# KiCad board AMC_FMC_Carrier-PcbDoc.kicad_pcb (continued)
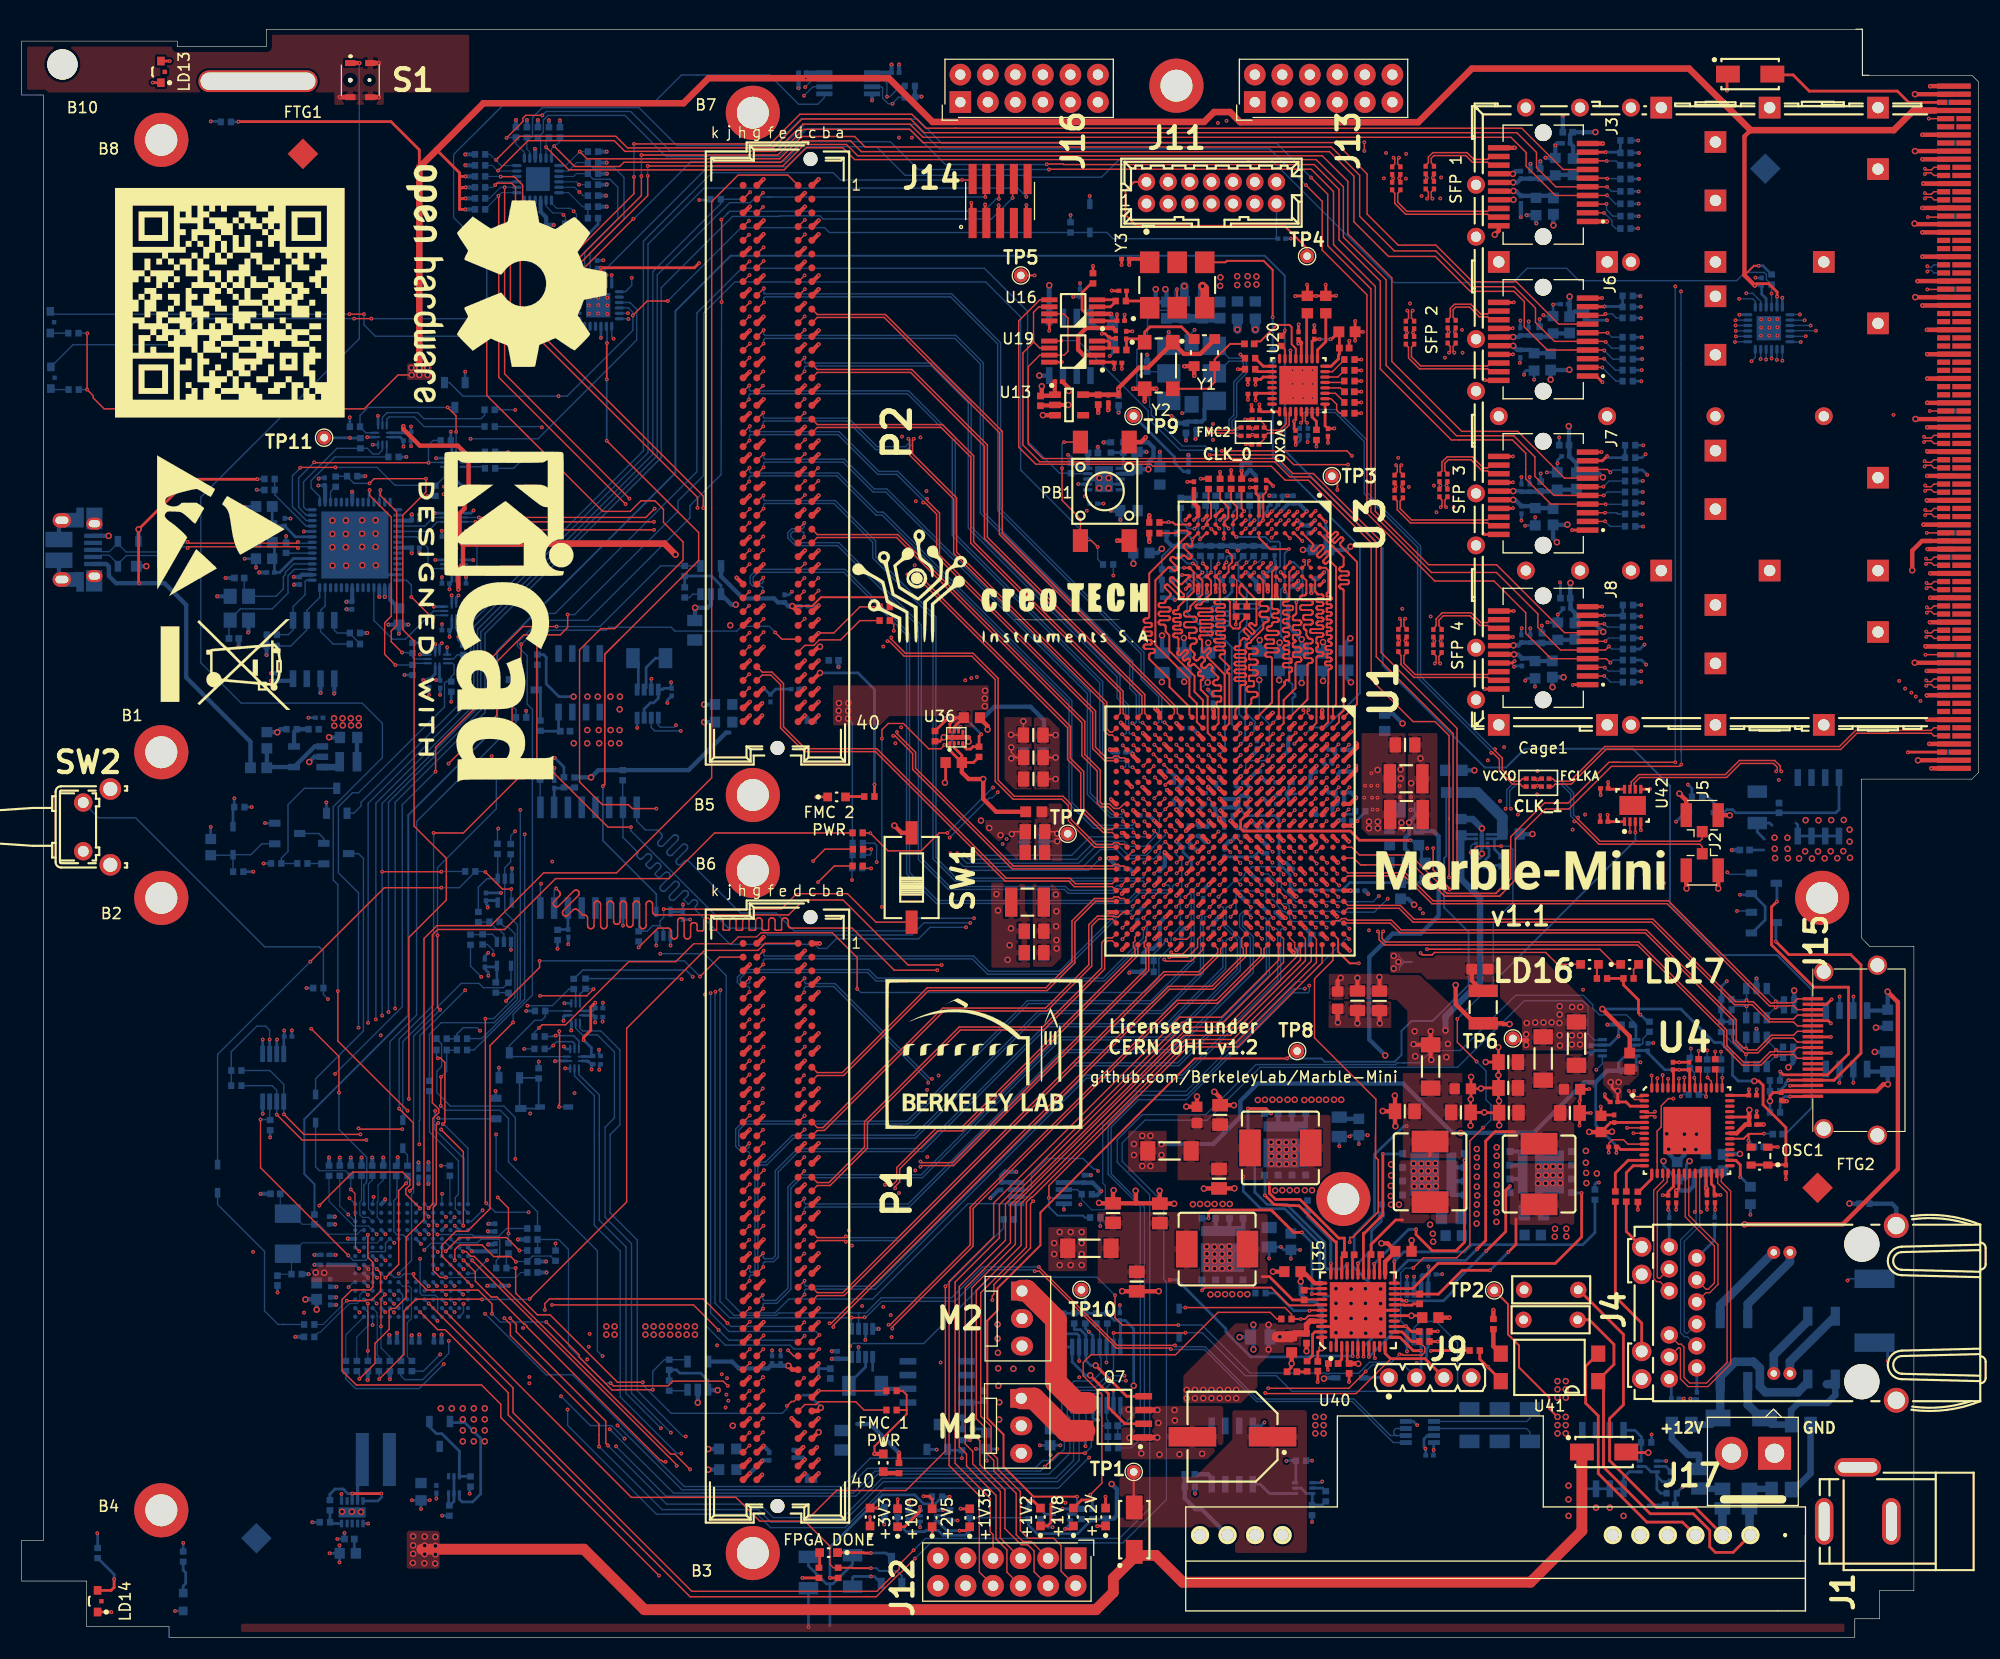
[diagram p0: board, top side]
## Routing (per net, layer and track width the routed paths; a pad name or vN(x,y) marks a point on that pad's centre or on a via; arc(x,y) is an arc through that point) (continued)
  Bottom w0.178: v1(109.78,98.34) 109.78,99.78 109.85,99.86
/SDRAM/DDR3_A5: length 28.9
  Top w0.178: v1(109.03,102.45) 109.07,102.45 U3.P2 109.39,102.99 109.78,103.38 109.78,104.67 109.55,104.9 R6.2 ; U1.M3 111.03,82.96 v1(110.54,83.45)
  In2.Cu w0.118: v1(109.03,102.45) 109.03,102.2 110.11,101.12 110.11,98.18 109.88,97.94 109.88,96.37 111.09,95.15 111.09,94.4 111.09,94.36 111.08,94.32 111.06,94.29 111.03,94.26 111,94.24 110.96,94.23 110.92,94.22 110.73,94.22 110.69,94.22 110.65,94.21 110.62,94.18 110.59,94.16 110.57,94.12 110.56,94.09 110.55,94.05 110.56,94.01 110.57,93.97 110.59,93.94 110.62,93.91 110.65,93.89 110.69,93.88 110.73,93.87 111.31,93.87 111.35,93.87 111.39,93.86 111.42,93.83 111.45,93.81 111.47,93.77 111.48,93.74 111.49,93.7 111.48,93.66 111.47,93.62 111.45,93.59 111.42,93.56 111.39,93.54 111.35,93.53 111.31,93.52 110.73,93.52 110.69,93.52 110.65,93.51 110.62,93.48 110.59,93.46 110.57,93.42 110.56,93.39 110.55,93.35 110.56,93.31 110.57,93.27 110.59,93.24 110.62,93.21 110.65,93.19 110.69,93.18 110.73,93.17 111.31,93.17 111.35,93.17 111.39,93.16 111.42,93.13 111.45,93.11 111.47,93.07 111.48,93.04 111.49,93 111.48,92.96 111.47,92.92 111.45,92.89 111.42,92.86 111.39,92.84 111.35,92.83 111.31,92.82 110.73,92.82 110.69,92.82 110.65,92.81 110.62,92.78 110.59,92.76 110.57,92.72 110.56,92.69 110.55,92.65 110.56,92.61 110.57,92.57 110.59,92.54 110.62,92.51 110.65,92.49 110.69,92.48 110.73,92.47 110.92,92.47 110.96,92.47 111,92.46 111.03,92.43 111.06,92.41 111.08,92.37 111.09,92.34 111.09,92.3 111.09,92.01 110.74,91.66 110.74,85.2 110.54,85 v1(110.54,83.45)
/SDRAM/DDR3_A6: length 28
  Top w0.178: U1.N2 110.47,84.4 110.47,85.8 110.47,85.83 110.46,85.85 110.45,85.87 110.43,85.88 110.41,85.89 110.39,85.9 110.35,85.91 110.33,85.91 110.31,85.92 110.29,85.94 110.28,85.96 110.28,85.98 110.27,86 110.27,86.3 110.28,86.33 110.28,86.35 110.29,86.37 110.31,86.38 110.33,86.39 110.35,86.4 110.37,86.4 110.59,86.4 110.62,86.41 110.65,86.41 110.67,86.43 110.69,86.45 110.7,86.47 110.71,86.5 110.72,86.53 110.72,86.78 110.71,86.81 110.7,86.83 110.69,86.86 110.67,86.88 110.65,86.89 110.62,86.9 110.59,86.9 110.12,86.9 110.07,86.91 110.01,86.93 109.97,86.96 109.93,87 109.9,87.04 109.88,87.1 109.87,87.15 109.88,87.21 109.9,87.26 109.93,87.31 109.97,87.35 110.01,87.38 110.07,87.4 110.12,87.4 110.59,87.4 110.62,87.41 110.65,87.41 110.67,87.43 110.69,87.45 110.7,87.47 110.71,87.5 110.72,87.53 110.72,87.78 110.71,87.81 110.7,87.83 110.69,87.86 110.67,87.88 110.65,87.89 110.62,87.9 110.59,87.9 110.47,87.9 110.47,87.9 110.22,87.9 110.17,87.91 110.11,87.93 110.07,87.96 110.03,88 110,88.04 109.98,88.1 109.97,88.15 109.97,88.16 109.98,88.21 110,88.26 110.03,88.31 110.07,88.35 110.11,88.38 110.17,88.4 110.28,88.41 110.33,88.43 110.38,88.46 110.42,88.5 110.45,88.54 110.46,88.6 110.47,88.65 109.88,89.24 109.86,89.27 109.85,89.3 109.84,89.33 109.84,89.36 109.85,89.39 109.86,89.42 109.9,89.48 109.92,89.51 109.92,89.54 109.92,89.57 109.92,89.6 109.9,89.63 109.88,89.66 109.74,89.8 109.71,89.82 109.68,89.84 109.65,89.85 109.62,89.85 109.58,89.84 109.55,89.82 109.53,89.8 109.28,89.56 109.25,89.53 109.21,89.51 109.17,89.5 109.12,89.5 109.08,89.51 109.04,89.53 109,89.56 108.93,89.63 108.9,89.67 108.88,89.71 108.87,89.75 108.87,89.79 108.88,89.84 108.9,89.88 108.93,89.91 109.17,90.16 109.2,90.18 109.21,90.21 109.22,90.25 109.22,90.28 109.21,90.31 109.2,90.34 109.17,90.37 109.03,90.51 109,90.53 108.98,90.55 108.94,90.55 108.91,90.55 108.88,90.55 108.85,90.53 108.82,90.51 108.72,90.41 108.72,90.41 108.58,90.27 108.54,90.24 108.5,90.22 108.46,90.21 108.41,90.21 108.37,90.22 108.33,90.24 108.29,90.27 108.22,90.34 108.19,90.37 108.17,90.41 108.16,90.46 108.16,90.5 108.17,90.55 108.19,90.59 108.25,90.66 108.27,90.7 108.28,90.74 108.28,90.78 108.27,90.83 108.25,90.87 108.22,90.9 107.87,91.25 107.87,91.51 107.87,91.56 107.89,91.62 107.92,91.66 107.96,91.7 108.01,91.73 108.06,91.75 108.12,91.76 108.21,91.76 108.27,91.76 108.32,91.78 108.37,91.81 108.41,91.85 108.44,91.9 108.46,91.95 108.46,92.01 108.46,92.06 108.44,92.12 108.41,92.16 108.37,92.2 108.32,92.23 108.27,92.25 108.21,92.26 107.82,92.26 107.81,92.26 107.8,92.26 107.79,92.27 107.78,92.28 107.77,92.29 107.77,92.3 107.77,92.31 107.77,92.71 107.77,92.72 107.77,92.73 107.78,92.74 107.79,92.75 107.8,92.75 107.81,92.76 107.82,92.76 108.21,92.76 108.27,92.76 108.32,92.78 108.37,92.81 108.41,92.85 108.44,92.9 108.46,92.95 108.46,93.01 108.46,93.06 108.44,93.12 108.41,93.16 108.37,93.2 108.32,93.23 108.27,93.25 108.21,93.26 107.52,93.26 107.47,93.26 107.41,93.28 107.37,93.31 107.33,93.35 107.3,93.4 107.28,93.45 107.27,93.51 107.28,93.56 107.3,93.62 107.33,93.66 107.37,93.7 107.41,93.73 107.47,93.75 107.52,93.76 108.21,93.76 108.27,93.76 108.32,93.78 108.37,93.81 108.41,93.85 108.44,93.9 108.46,93.95 108.46,94.01 108.46,94.06 108.44,94.12 108.41,94.16 108.37,94.2 108.32,94.23 108.27,94.25 108.21,94.26 107.52,94.26 107.47,94.26 107.41,94.28 107.37,94.31 107.33,94.35 107.3,94.4 107.28,94.45 107.27,94.51 107.28,94.56 107.3,94.62 107.33,94.66 107.37,94.7 107.41,94.73 107.47,94.75 107.52,94.76 107.62,94.76 107.67,94.76 107.73,94.78 107.77,94.81 107.81,94.85 107.84,94.9 107.86,94.95 107.87,95.01 107.87,95.2 108.98,96.31 108.98,97.58 U3.R8 108.62,97.97 v1(108.99,98.34)
  Bottom w0.178: v1(108.99,98.34) 108.51,98.82 108.51,99.28 108.25,99.53 108.17,99.53 107.86,99.85 R16.2 ; 107.93,99.86 107.92,99.86
/SDRAM/DDR3_A7: length 28.2
  Top w0.178: v1(110.54,80.45) 111.03,79.96 U1.M6 ; v1(108.24,102.39) 108.59,102.74 U3.R2
  In2.Cu w0.118: v1(108.24,102.39) 109.35,101.28 109.35,98.2 109.06,97.91 109.06,96.37 110.31,95.13 110.31,91.14 110.3,91.08 110.28,91.01 110.24,90.96 110.2,90.91 110.14,90.87 110.07,90.85 110.01,90.84 109.98,90.84 109.91,90.84 109.85,90.81 109.79,90.78 109.74,90.73 109.71,90.67 109.69,90.61 109.68,90.54 109.69,90.48 109.71,90.41 109.74,90.36 109.79,90.31 109.85,90.27 109.91,90.25 109.98,90.24 110.01,90.24 110.07,90.24 110.14,90.21 110.2,90.18 110.24,90.13 110.28,90.07 110.3,90.01 110.31,89.94 110.31,85.57 109.93,85.19 109.93,81.06 v1(110.54,80.45)
  Bottom w0.178: R7.2 106.98,103.08 107.68,102.39 v1(108.24,102.39)
/SDRAM/DDR3_A8: length 27.4
  Top w0.178: U1.P1 109.03,86.54 108.25,87.31 108.25,88.77 105.93,91.1 105.93,92.54 105.59,92.87 105.59,93.32 105.58,93.36 105.57,93.41 105.54,93.45 105.51,93.48 105.47,93.5 105.43,93.52 105.39,93.52 105.14,93.52 105.09,93.53 105.05,93.54 105.01,93.56 104.98,93.6 104.96,93.63 104.94,93.68 104.94,93.72 104.94,93.76 104.96,93.81 104.98,93.85 105.01,93.88 105.05,93.9 105.09,93.92 105.14,93.92 105.79,93.92 105.83,93.93 105.87,93.94 105.91,93.96 105.94,94 105.97,94.03 105.98,94.08 105.99,94.12 105.98,94.17 105.97,94.21 105.94,94.25 105.91,94.28 105.87,94.3 105.83,94.32 105.79,94.32 105.14,94.32 105.09,94.33 105.05,94.34 105.01,94.36 104.98,94.4 104.96,94.43 104.94,94.48 104.94,94.52 104.94,94.56 104.96,94.61 104.98,94.65 105.01,94.68 105.05,94.7 105.09,94.72 105.14,94.72 105.84,94.72 105.88,94.73 105.92,94.74 105.96,94.76 105.99,94.8 106.02,94.83 106.03,94.88 106.04,94.92 106.03,94.96 106.02,95.01 105.99,95.05 105.96,95.08 105.92,95.1 105.88,95.12 105.84,95.12 105.14,95.12 105.09,95.13 105.05,95.14 105.01,95.16 104.98,95.2 104.96,95.23 104.94,95.28 104.94,95.32 104.94,95.36 104.96,95.41 104.98,95.45 105.01,95.48 105.05,95.5 105.09,95.52 105.14,95.52 105.39,95.52 105.43,95.53 105.47,95.54 105.51,95.56 105.54,95.6 105.57,95.63 105.58,95.68 105.59,95.72 105.59,95.77 105.99,96.18 106.02,96.21 106.04,96.25 106.05,96.29 106.05,96.34 106.04,96.38 106.02,96.42 105.99,96.46 105.57,96.88 105.54,96.92 105.52,96.96 105.51,97 105.51,97.05 105.52,97.09 105.54,97.13 105.57,97.16 105.6,97.19 105.64,97.21 105.69,97.22 105.73,97.22 105.78,97.21 105.82,97.19 105.85,97.16 106.95,96.07 106.98,96.04 107.02,96.02 107.07,96.01 107.11,96.01 107.15,96.02 107.19,96.04 107.23,96.07 107.26,96.11 107.28,96.15 107.29,96.19 107.29,96.23 107.28,96.28 107.26,96.32 107.23,96.35 106.03,97.55 106,97.59 105.98,97.63 105.97,97.67 105.97,97.72 105.98,97.76 106,97.8 106.03,97.84 106.06,97.86 106.1,97.88 106.15,97.89 106.19,97.89 106.24,97.88 106.28,97.86 106.31,97.84 106.84,97.31 106.88,97.28 106.92,97.26 106.96,97.25 107,97.25 107.05,97.26 107.09,97.28 107.12,97.31 107.78,97.97 U3.T8 107.65,98.11 v1(107.11,98.11)
  Bottom w0.178: 106.26,97.55 R17.2 106.64,97.63 v1(107.11,98.11)
/SDRAM/DDR3_A9: length 27.1
  Top w0.178: U3.R3 108.05,101.43 108.05,100.8 108.01,100.77 107.96,100.74 107.91,100.73 107.86,100.73 107.82,100.74 107.77,100.77 107.73,100.8 107.62,100.91 107.58,100.94 107.53,100.96 107.48,100.97 107.43,100.97 107.38,100.96 107.34,100.94 107.3,100.91 107.27,100.87 107.25,100.83 107.24,100.78 107.24,100.73 107.25,100.68 107.27,100.63 107.3,100.59 107.91,99.98 107.94,99.94 107.97,99.89 107.98,99.84 107.98,99.79 107.97,99.74 107.94,99.7 107.91,99.66 107.87,99.63 107.83,99.61 107.78,99.6 107.73,99.6 107.68,99.61 107.63,99.63 107.6,99.66 107.41,99.84 107.37,99.87 107.33,99.9 107.28,99.91 107.23,99.91 107.18,99.9 107.13,99.87 107.09,99.84 106.96,99.71 106.73,99.71 106.69,99.68 106.65,99.65 106.6,99.64 106.55,99.64 106.5,99.65 106.45,99.68 106.41,99.71 106.41,99.71 106.37,99.75 106.32,99.77 106.27,99.78 106.22,99.78 106.17,99.77 106.13,99.75 106.09,99.71 106.06,99.67 106.03,99.63 106.02,99.58 106.02,99.53 106.03,99.48 106.06,99.43 106.09,99.4 106.59,98.89 106.63,98.85 106.65,98.8 106.66,98.75 106.66,98.7 106.65,98.65 106.63,98.61 106.59,98.57 106.56,98.54 106.51,98.52 106.46,98.51 106.41,98.51 106.36,98.52 106.32,98.54 106.28,98.57 106.09,98.75 106.05,98.78 106.01,98.81 105.96,98.82 105.91,98.82 105.86,98.81 105.81,98.78 105.78,98.75 104.64,97.62 104.64,91.64 107.78,88.49 107.78,86.93 108.47,86.24 108.47,84.52 U1.P2
  Bottom w0.178: 108.05,101.41 107.49,101.97 R8.2
  vias: v1(108.05,101.41)
/SDRAM/DDR3_A10: length 26.3
  Top w0.178: U1.L4 112.52,82.45 v1(112.52,82.51) ; U3.L7 111.79,98.8 v1(112.14,99.15)
  Bottom w0.178: v1(112.52,82.51) 112.93,82.92 112.93,84.7 112.37,85.25 112.37,92.72 113.07,93.43 113.07,94.3 113.07,94.35 113.05,94.4 113.03,94.44 112.99,94.48 112.95,94.5 112.9,94.52 112.85,94.52 112.1,94.52 112.05,94.53 112.01,94.55 111.96,94.57 111.93,94.61 111.9,94.65 111.88,94.7 111.88,94.75 111.88,94.8 111.9,94.85 111.93,94.9 111.96,94.93 112.01,94.96 112.05,94.98 112.1,94.98 114.05,94.98 114.1,94.99 114.14,95 114.19,95.03 114.22,95.07 114.25,95.11 114.27,95.16 114.27,95.21 114.27,95.26 114.25,95.31 114.22,95.35 114.19,95.39 114.14,95.41 114.1,95.43 114.05,95.44 112.1,95.44 112.05,95.44 112.01,95.46 111.96,95.49 111.93,95.52 111.9,95.57 111.88,95.61 111.88,95.66 111.88,95.72 111.9,95.76 111.93,95.81 111.96,95.84 112.01,95.87 112.05,95.89 112.1,95.89 112.85,95.89 112.9,95.9 112.95,95.92 112.99,95.94 113.03,95.98 113.05,96.02 113.07,96.07 113.07,96.12 113.07,96.83 112.32,97.59 112.32,98.97 v1(112.14,99.15) 112.74,99.75 R18.2
/SDRAM/DDR3_A11: length 26.9
  Top w0.178: v1(108.1,99.17) 108.19,99.17 U3.R7 ; U1.N5 110.03,80.99 v1(109.55,81.47)
  In2.Cu w0.118: v1(108.1,99.17) 108.1,96.58 108.09,96.52 108.07,96.47 108.04,96.42 108,96.38 107.96,96.35 107.9,96.34 107.85,96.33 107.47,96.33 107.41,96.32 107.36,96.31 107.31,96.28 107.27,96.24 107.24,96.19 107.23,96.14 107.22,96.08 107.23,96.02 107.24,95.97 107.27,95.92 107.31,95.88 107.36,95.85 107.41,95.84 107.47,95.83 108.73,95.83 108.78,95.82 108.83,95.81 108.88,95.78 108.92,95.74 108.95,95.69 108.97,95.64 108.98,95.58 108.97,95.52 108.95,95.47 108.92,95.42 108.88,95.38 108.83,95.35 108.78,95.34 108.73,95.33 108.35,95.33 108.29,95.32 108.24,95.31 108.19,95.28 108.15,95.24 108.12,95.19 108.1,95.14 108.1,95.08 108.1,94.8 109.01,93.89 109.01,93.83 108.99,93.78 108.96,93.73 108.92,93.69 108.87,93.66 108.82,93.64 108.76,93.64 108.39,93.64 108.33,93.63 108.28,93.61 108.23,93.58 108.19,93.54 108.16,93.49 108.14,93.44 108.14,93.39 108.14,93.33 108.16,93.28 108.19,93.23 108.23,93.19 108.28,93.16 108.33,93.14 108.39,93.14 109.64,93.14 109.7,93.13 109.75,93.11 109.8,93.08 109.84,93.04 109.87,92.99 109.89,92.94 109.89,92.89 109.89,92.83 109.87,92.78 109.84,92.73 109.8,92.69 109.75,92.66 109.7,92.64 109.64,92.64 109.26,92.64 109.21,92.63 109.16,92.61 109.11,92.58 109.07,92.54 109.04,92.49 109.02,92.44 109.01,92.39 109.01,82.01 v1(109.55,81.47)
  Bottom w0.178: 106.97,99.86 106.97,99.82 ; R9.2 107.56,99.17 v1(108.1,99.17)
/SDRAM/DDR3_A12: length 26.2
  Top w0.178: v1(110.47,99.15) 110.47,99.12 110.19,98.84 U3.N7 ; v1(112.5,83.5) 112.5,83.42 U1.L3
  Bottom w0.178: R19.2 110.47,99.62 v1(110.47,99.15) 110.16,98.85 110.16,97.12 110.63,96.65 110.63,95.43 110.63,95.38 110.61,95.33 110.58,95.29 110.55,95.26 110.51,95.23 110.46,95.21 110.41,95.21 110,95.21 109.95,95.2 109.9,95.18 109.86,95.16 109.82,95.12 109.8,95.08 109.78,95.03 109.77,94.98 109.78,94.93 109.8,94.88 109.82,94.84 109.86,94.81 109.9,94.78 109.95,94.76 110,94.76 111.27,94.76 111.32,94.75 111.36,94.73 111.41,94.71 111.44,94.67 111.47,94.63 111.49,94.58 111.49,94.53 111.49,94.48 111.47,94.43 111.44,94.39 111.41,94.36 111.36,94.33 111.32,94.31 111.27,94.31 110,94.31 109.95,94.3 109.9,94.28 109.86,94.26 109.82,94.22 109.8,94.18 109.78,94.13 109.77,94.08 109.78,94.03 109.8,93.98 109.82,93.94 109.86,93.91 109.9,93.88 109.95,93.86 110,93.86 111.27,93.86 111.32,93.85 111.36,93.83 111.41,93.81 111.44,93.77 111.47,93.73 111.49,93.68 111.49,93.63 111.49,93.58 111.47,93.53 111.44,93.49 111.41,93.46 111.36,93.43 111.32,93.41 111.27,93.41 110,93.41 109.95,93.4 109.9,93.38 109.86,93.36 109.82,93.32 109.8,93.28 109.78,93.23 109.77,93.18 109.78,93.13 109.8,93.08 109.82,93.04 109.86,93.01 109.9,92.98 109.95,92.96 110,92.96 110.41,92.96 110.46,92.95 110.51,92.93 110.55,92.91 110.58,92.87 110.61,92.83 110.63,92.78 110.63,92.73 110.63,92.5 111.69,91.44 111.69,84.3 v1(112.5,83.5)
/SDRAM/DDR3_A13: length 28.4
  Top w0.178: R10.2 106.53,101.97 106.76,102.2 107.56,102.2 U3.T3 104.07,98.25 104.07,94.29 104.07,94.24 104.05,94.2 104.03,94.16 104,94.13 103.96,94.11 103.92,94.09 103.87,94.09 103.75,94.09 103.71,94.08 103.66,94.07 103.63,94.04 103.59,94.01 103.57,93.97 103.55,93.93 103.55,93.89 103.55,93.84 103.57,93.8 103.59,93.76 103.63,93.73 103.66,93.71 103.71,93.69 103.75,93.69 104.18,93.69 104.21,93.68 104.23,93.68 104.25,93.66 104.27,93.64 104.29,93.62 104.29,93.6 104.3,93.58 104.3,93.4 104.29,93.37 104.29,93.35 104.27,93.33 104.25,93.31 104.23,93.3 104.21,93.29 104.18,93.29 103.75,93.29 103.71,93.28 103.66,93.27 103.63,93.24 103.59,93.21 103.57,93.17 103.55,93.13 103.55,93.09 103.55,93.04 103.57,93 103.59,92.96 103.63,92.93 103.66,92.91 103.71,92.89 103.75,92.89 104.18,92.89 104.21,92.88 104.23,92.88 104.25,92.86 104.27,92.84 104.29,92.82 104.29,92.8 104.3,92.78 104.3,92.6 104.29,92.57 104.29,92.55 104.27,92.53 104.25,92.51 104.23,92.5 104.21,92.49 104.18,92.49 103.75,92.49 103.71,92.48 103.66,92.47 103.63,92.44 103.59,92.41 103.57,92.37 103.55,92.33 103.55,92.29 103.55,92.24 103.57,92.2 103.59,92.16 103.63,92.13 103.66,92.11 103.71,92.09 103.75,92.09 104.18,92.09 104.21,92.08 104.23,92.08 104.25,92.06 104.27,92.04 104.29,92.02 104.29,92 104.3,91.98 104.3,91.8 104.29,91.77 104.29,91.75 104.27,91.73 104.25,91.71 104.23,91.7 104.21,91.69 104.18,91.69 103.75,91.69 103.71,91.68 103.66,91.67 103.63,91.64 103.59,91.61 103.57,91.57 103.55,91.53 103.55,91.49 103.55,91.44 103.57,91.4 103.59,91.36 103.63,91.33 103.66,91.31 103.71,91.29 103.75,91.29 104.4,91.29 104.44,91.28 104.48,91.27 104.52,91.24 104.55,91.21 104.58,91.17 104.59,91.13 104.6,91.09 104.59,91.04 104.58,91 104.55,90.96 104.52,90.93 104.48,90.91 104.44,90.89 104.4,90.89 104.27,90.89 104.23,90.88 104.19,90.87 104.15,90.84 104.12,90.81 104.09,90.77 104.08,90.73 104.07,90.69 104.07,90.35 105.94,88.48 105.94,87.77 107.78,85.93 107.78,85.21 U1.R1 108.03,84.97
/SDRAM/DDR3_A14: length 27.1
  Top w0.178: U1.N3 109.47,83.52 109.47,86.87 108.83,87.52 108.83,88.31 108.83,88.34 108.84,88.36 108.85,88.39 108.87,88.4 108.9,88.42 108.92,88.43 108.97,88.43 109,88.44 109.02,88.46 109.04,88.48 109.06,88.5 109.07,88.52 109.07,88.55 109.07,88.67 109.07,88.69 109.06,88.72 109.04,88.74 109.02,88.76 109,88.78 108.97,88.78 108.95,88.79 108.83,88.79 108.83,88.79 108.71,88.79 108.68,88.8 108.66,88.8 108.63,88.82 108.61,88.84 108.6,88.86 108.59,88.89 108.59,88.91 108.59,89.03 108.59,89.05 108.6,89.08 108.61,89.1 108.63,89.12 108.66,89.14 108.68,89.15 108.73,89.15 108.76,89.16 108.78,89.17 108.8,89.19 108.82,89.22 108.83,89.24 108.83,89.27 108.28,89.82 108.25,89.84 108.21,89.86 108.18,89.87 108.14,89.87 108.1,89.86 108.06,89.84 108.03,89.82 107.97,89.76 107.94,89.73 107.9,89.71 107.86,89.7 107.82,89.7 107.79,89.71 107.75,89.73 107.72,89.76 107.69,89.79 107.68,89.82 107.67,89.86 107.67,89.9 107.68,89.94 107.69,89.98 107.72,90.01 107.78,90.07 107.8,90.1 107.82,90.13 107.83,90.17 107.83,90.21 107.82,90.25 107.8,90.29 107.78,90.32 107.75,90.34 107.71,90.36 107.67,90.37 107.63,90.37 107.59,90.36 107.56,90.34 107.53,90.32 107.47,90.26 107.44,90.23 107.4,90.22 107.36,90.21 107.32,90.21 107.28,90.22 107.25,90.23 107.21,90.26 107.19,90.29 107.17,90.33 107.16,90.37 107.16,90.4 107.17,90.44 107.19,90.48 107.21,90.51 107.59,90.88 107.61,90.91 107.63,90.95 107.64,90.99 107.64,91.03 107.63,91.07 107.61,91.1 107.59,91.13 107.55,91.16 107.52,91.18 107.48,91.18 107.44,91.18 107.4,91.18 107.36,91.16 107.33,91.13 106.96,90.76 106.93,90.74 106.9,90.72 106.86,90.71 106.82,90.71 106.78,90.72 106.74,90.74 106.71,90.76 106.69,90.79 106.67,90.83 106.66,90.87 106.66,90.91 106.67,90.95 106.69,90.98 106.71,91.01 106.77,91.07 106.8,91.1 106.81,91.14 106.82,91.18 106.82,91.22 106.81,91.26 106.8,91.29 106.77,91.33 106.77,92.18 106.77,92.22 106.75,92.25 106.73,92.29 106.7,92.31 106.67,92.34 106.63,92.35 106.59,92.35 106.46,92.35 106.42,92.36 106.38,92.37 106.35,92.39 106.32,92.42 106.3,92.45 106.29,92.49 106.28,92.53 106.29,92.57 106.3,92.61 106.32,92.64 106.35,92.67 106.38,92.69 106.42,92.71 106.46,92.71 106.94,92.71 106.98,92.71 107.01,92.73 107.05,92.75 107.07,92.77 107.09,92.81 107.11,92.84 107.11,92.88 107.11,92.9 107.11,92.93 107.09,92.97 107.07,93 107.05,93.03 107.01,93.05 106.98,93.06 106.94,93.07 106.46,93.07 106.42,93.07 106.38,93.08 106.35,93.1 106.32,93.13 106.3,93.17 106.29,93.2 106.28,93.24 106.29,93.28 106.3,93.32 106.32,93.35 106.35,93.38 106.38,93.4 106.42,93.42 106.46,93.42 106.87,93.42 106.89,93.42 106.91,93.43 106.92,93.44 106.94,93.46 106.95,93.48 106.96,93.5 106.96,93.52 106.96,93.68 106.96,93.7 106.95,93.72 106.94,93.74 106.92,93.76 106.91,93.77 106.89,93.78 106.87,93.78 106.46,93.78 106.42,93.78 106.38,93.8 106.35,93.82 106.32,93.84 106.3,93.88 106.29,93.92 106.28,93.96 106.29,94 106.3,94.03 106.32,94.07 106.35,94.09 106.38,94.12 106.42,94.13 106.46,94.13 106.87,94.13 106.89,94.14 106.91,94.14 106.92,94.15 106.94,94.17 106.95,94.19 106.96,94.21 106.96,94.23 106.96,94.39 106.96,94.42 106.95,94.44 106.94,94.45 106.92,94.47 106.91,94.48 106.89,94.49 106.87,94.49 106.46,94.49 106.42,94.49 106.38,94.51 106.35,94.53 106.32,94.56 106.3,94.59 106.29,94.63 106.28,94.67 106.29,94.71 106.3,94.74 106.32,94.78 106.35,94.81 106.38,94.83 106.42,94.84 106.46,94.85 106.59,94.85 106.63,94.85 106.67,94.86 106.7,94.88 106.73,94.91 106.75,94.95 106.77,94.98 106.77,95.02 106.77,95.16 108.18,96.57 108.18,98.38 U3.T7 v1(107.29,98.77)
  Bottom w0.178: v1(107.29,98.77) 106.33,98.77 R23.2
/SDRAM/DDR3_A15: length 28.1
  Top w0.178: 118.03,82.97 U1.E3 117.92,82.96 v1(117.47,82.51) ; U3.M7 110.99,99.07 v1(111.2,99.28)
  In2.Cu w0.118: 112.04,94.53 112.04,94.5 112.42,94.12 112.42,93.24 111.84,92.65 111.84,91.3 112.04,91.1 112.04,82.47 112.86,81.65 112.86,80.61 113.35,80.12 114.64,80.12 115.28,80.76 115.34,80.76 116.15,81.57 116.15,81.61 116.77,82.23 117.19,82.23 v1(117.47,82.51)
  In2.Cu w0.127: v1(111.2,99.28) 112.04,98.44 112.04,94.53
  Bottom w0.178: 111.76,99.85 R11.2 111.3,99.85 111.2,99.75 v1(111.2,99.28)
/SDRAM/DDR3_BA0: length 29.2
  Top w0.178: R27.2 110.62,105.12 111.38,104.35 111.38,103.38 110.99,102.99 U3.M2 111.04,102.77 v1(111.4,102.4) ; v1(112.52,81.5) 112.03,81 U1.L5
  In5.Cu w0.118: v1(112.52,81.5) 111.97,82.05 111.97,84.43 112.4,84.87 112.4,96.4 114.18,98.18 114.18,100.37 113.58,100.97 113.54,101 113.5,101.02 113.46,101.03 113.42,101.03 113.37,101.02 113.33,101 113.26,100.94 113.22,100.92 113.18,100.91 113.13,100.91 113.09,100.92 113.05,100.94 113.01,100.97 112.99,101 112.97,101.05 112.96,101.09 112.96,101.13 112.97,101.18 112.99,101.22 113.04,101.29 113.06,101.33 113.07,101.37 113.07,101.42 113.06,101.46 113.04,101.5 113.01,101.54 112.15,102.4 v1(111.4,102.4)
/SDRAM/DDR3_BA1: length 26.8
  Top w0.178: U1.M2 111.47,84.4 111.47,88.93 111.47,88.95 111.46,88.97 111.45,88.99 111.43,89 111.41,89.02 111.39,89.02 111.35,89.03 111.33,89.04 111.31,89.05 111.29,89.06 111.28,89.08 111.27,89.1 111.27,89.13 111.27,89.28 111.27,89.31 111.28,89.33 111.29,89.34 111.31,89.36 111.33,89.37 111.35,89.38 111.39,89.38 111.41,89.39 111.43,89.4 111.45,89.42 111.46,89.44 111.47,89.46 111.47,89.63 110.58,90.52 110.58,90.61 110.58,90.65 110.6,90.69 110.62,90.72 110.65,90.75 110.68,90.77 110.72,90.78 110.76,90.79 110.9,90.79 110.94,90.79 110.98,90.8 111.01,90.83 111.04,90.85 111.06,90.89 111.07,90.93 111.08,90.96 111.07,91 111.06,91.04 111.04,91.08 111.01,91.1 110.98,91.13 110.94,91.14 110.9,91.14 110.26,91.14 110.22,91.15 110.18,91.16 110.15,91.18 110.12,91.21 110.1,91.24 110.09,91.28 110.08,91.32 110.09,91.36 110.1,91.4 110.12,91.43 110.15,91.46 110.18,91.48 110.22,91.49 110.26,91.5 110.9,91.5 110.94,91.5 110.98,91.52 111.01,91.54 111.04,91.57 111.06,91.6 111.07,91.64 111.08,91.68 111.07,91.72 111.06,91.75 111.04,91.79 111.01,91.82 110.98,91.84 110.94,91.85 110.9,91.85 110.26,91.85 110.22,91.86 110.18,91.87 110.15,91.89 110.12,91.92 110.1,91.96 110.09,91.99 110.08,92.03 110.09,92.07 110.1,92.11 110.12,92.14 110.15,92.17 110.18,92.19 110.22,92.21 110.26,92.21 110.9,92.21 110.94,92.22 110.98,92.23 111.01,92.25 111.04,92.28 111.06,92.31 111.07,92.35 111.08,92.39 111.07,92.43 111.06,92.47 111.04,92.5 111.01,92.53 110.98,92.55 110.94,92.56 110.9,92.57 110.41,92.57 110.37,92.57 110.33,92.58 110.3,92.6 110.27,92.63 110.25,92.67 110.24,92.7 110.23,92.74 110.23,92.75 110.24,92.79 110.25,92.82 110.27,92.86 110.3,92.88 110.33,92.91 110.37,92.92 110.41,92.92 110.9,92.92 110.94,92.93 110.98,92.94 111.01,92.96 111.04,92.99 111.06,93.02 111.07,93.06 111.08,93.1 111.07,93.14 111.06,93.18 111.04,93.21 111.01,93.24 110.98,93.26 110.94,93.27 110.9,93.28 110.41,93.28 110.37,93.28 110.33,93.3 110.3,93.32 110.27,93.34 110.25,93.38 110.24,93.41 110.23,93.45 110.23,93.46 110.24,93.5 110.25,93.54 110.27,93.57 110.3,93.6 110.33,93.62 110.37,93.63 110.41,93.63 110.9,93.63 110.94,93.64 110.98,93.65 111.01,93.67 111.04,93.7 111.06,93.74 111.07,93.77 111.08,93.81 111.07,93.85 111.06,93.89 111.04,93.92 111.01,93.95 110.98,93.97 110.94,93.99 110.9,93.99 110.41,93.99 110.37,94 110.33,94.01 110.3,94.03 110.27,94.06 110.25,94.09 110.24,94.13 110.23,94.16 110.23,94.17 110.24,94.21 110.25,94.25 110.27,94.28 110.3,94.31 110.33,94.33 110.37,94.34 110.41,94.35 110.9,94.35 110.94,94.35 110.98,94.36 111.01,94.39 111.04,94.41 111.06,94.45 111.07,94.49 111.08,94.52 111.07,94.56 111.06,94.6 111.04,94.64 111.01,94.66 110.98,94.69 110.94,94.7 110.9,94.7 110.41,94.7 110.37,94.71 110.33,94.72 110.3,94.74 110.27,94.77 110.25,94.8 110.24,94.84 110.23,94.88 110.23,94.88 110.24,94.92 110.25,94.96 110.27,94.99 110.3,95.02 110.33,95.04 110.37,95.05 110.41,95.06 110.9,95.06 110.94,95.06 110.98,95.08 111.01,95.1 111.04,95.13 111.06,95.16 111.07,95.2 111.08,95.24 111.07,95.28 111.06,95.31 111.04,95.35 111.01,95.38 110.98,95.4 110.94,95.41 110.9,95.41 110.26,95.41 110.22,95.42 110.18,95.43 110.15,95.45 110.12,95.48 110.1,95.52 110.09,95.55 110.08,95.59 110.09,95.63 110.1,95.67 110.12,95.7 110.15,95.73 110.18,95.75 110.22,95.77 110.26,95.77 110.4,95.77 110.44,95.78 110.48,95.79 110.51,95.81 110.54,95.84 110.56,95.87 110.58,95.91 110.58,95.95 110.58,97.58 U3.N8 110.2,97.97 v1(110.59,98.36)
  Bottom w0.118: v1(110.59,98.36) 110.59,97.81 R12.2
